# EAGLE board Mk4 Final a Panel score 2x5 (EAGLE 9.0.1), part 16 of 29 (continued)
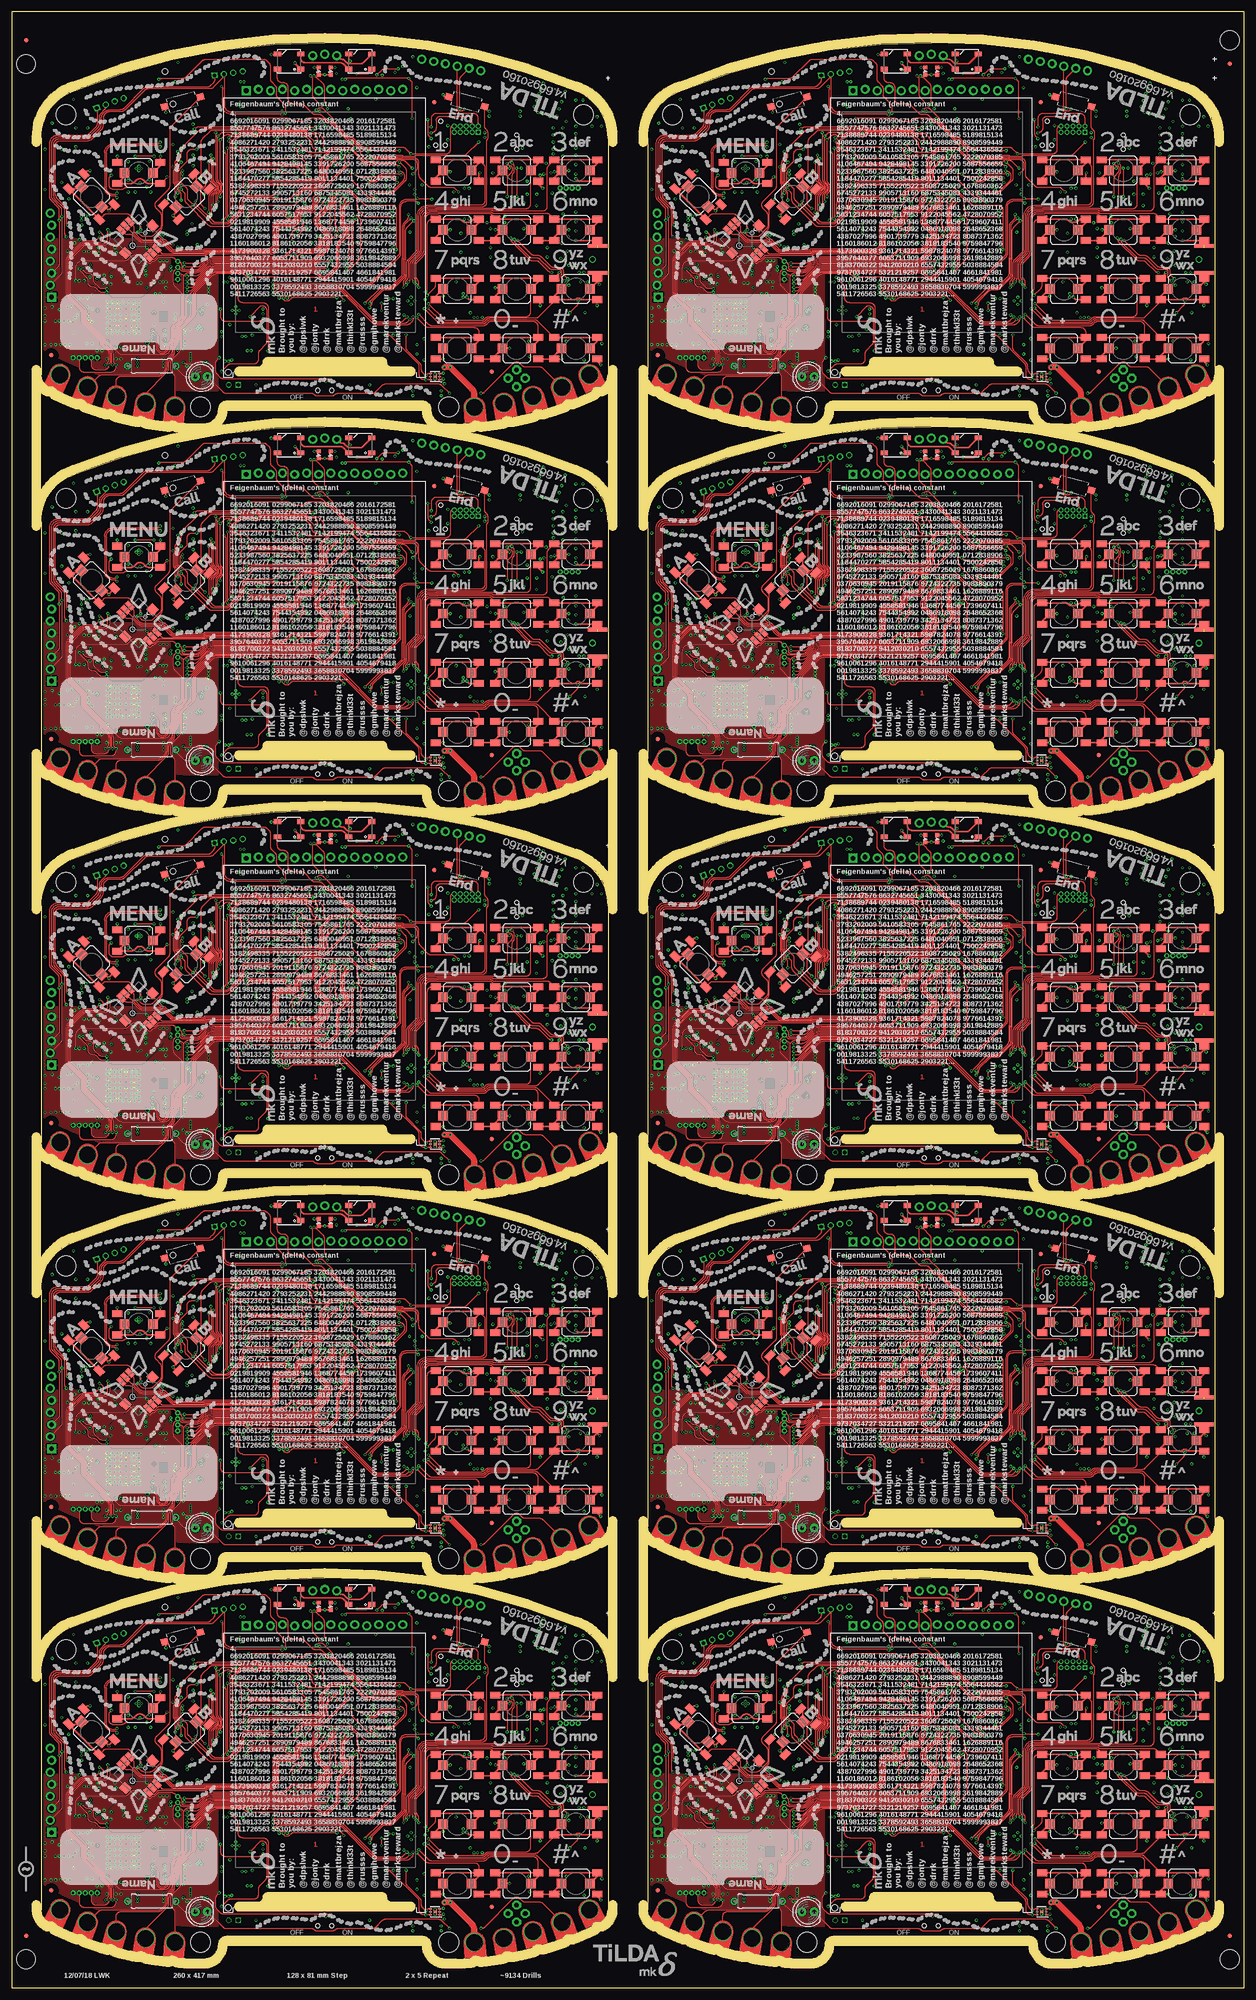
[diagram p0: board, top side]
## Tracks (layer width: path | path; a pad name or v marks a point on that pad's centre or on a via) (continued)
I2C4_SCL1  (via drill 0.3)
  Top 0.15: v198,32.1 198,32.3 197.29,33.01 arc45 196.59,33.3 187.21,33.3 arc45 186.51,33.01 v186.1,32.6 185.78,32.92 arc90 184.72,32.92 v184.4,32.6 | v211.2,24.8 211.2,22.14 arc45 211.49,21.43 214.01,18.92 arc-45 214.3,18.21 214.3,17.71 arc45 214.59,17.01 v215.35,16.25 215.46,16.36 arc-45 216.16,16.65 IC34.4
  3V3@2 0.15: v181,52.7 180.3,53.4 180.3,57.8 180.55,58.05 180.55,60.55 181,61 183,61 185.4,63.4 187.95,63.4 188.5,62.85 189.05,62.85 189.5,63.3 v189.5,63.4
  Bottom 0.15: IC24.5 176,32.3 arc-90 177,33.3 179.38,33.3 arc-45 180.27,32.93 180.51,32.69 arc45 181.21,32.4 184.12,32.4 arc45 184.26,32.46 v184.4,32.6 | IC31.19 208.75,30.75 | IC32.1 210.25,27.5 210.28,27.52 | 210.28,27.52 arc90 210.28,28.23 209.04,29.46 arc-45 208.75,30.16 208.75,30.75 | 208.75,30.75 206.16,30.75 arc-45 205.46,31.04 204.69,31.81 arc45 203.99,32.1 v198,32.1 | v186.1,32.6 185.7,33 185.7,36.38 arc45 185.33,37.27 180.99,41.61 arc-45 180.7,42.31 180.7,51.99 arc-45 v180.99,52.69 v181,52.7 181.05,52.75 R104.1 | v211.2,24.8 211.2,26.39 arc45 211.05,26.75 210.28,27.52 | IC20.61 188.69,64 arc-45 189.05,63.85 v189.5,63.4 | IC35.6 214.72,14.88 arc45 214.7,14.95 214.63,15.02 arc-45 214.6,15.09 214.6,15.29 arc-45 214.75,15.65 v215.35,16.25
I2C4_SCL2  (via drill 0.3)
  Top 0.15: v70,113.1 70,113.3 69.29,114.01 arc45 68.59,114.3 59.21,114.3 arc45 58.51,114.01 v58.1,113.6 57.78,113.92 arc90 56.72,113.92 v56.4,113.6 | v83.2,105.8 83.2,103.14 arc45 83.49,102.43 86.01,99.92 arc-45 86.3,99.21 86.3,98.71 arc45 86.59,98.01 v87.35,97.25 87.46,97.36 arc-45 88.16,97.65 IC52.4
  3V3@2 0.15: v53,133.7 52.3,134.4 52.3,138.8 52.55,139.05 52.55,141.55 53,142 55,142 57.4,144.4 59.95,144.4 60.5,143.85 61.05,143.85 61.5,144.3 v61.5,144.4
  Bottom 0.15: IC42.5 48,113.3 arc-90 49,114.3 51.38,114.3 arc-45 52.27,113.93 52.51,113.69 arc45 53.21,113.4 56.12,113.4 arc45 56.26,113.46 v56.4,113.6 | IC49.19 80.75,111.75 | IC50.1 82.25,108.5 82.28,108.53 | 82.28,108.53 arc90 82.28,109.22 81.04,110.46 arc-45 80.75,111.16 80.75,111.75 | 80.75,111.75 78.16,111.75 arc-45 77.46,112.04 76.69,112.81 arc45 75.99,113.1 v70,113.1 | v58.1,113.6 57.7,114 57.7,117.38 arc45 57.33,118.27 52.99,122.61 arc-45 52.7,123.31 52.7,132.99 arc-45 v52.99,133.69 v53,133.7 53.05,133.75 R182.1 | v83.2,105.8 83.2,107.39 arc45 83.05,107.75 82.28,108.53 | IC38.61 60.69,145 arc-45 61.05,144.85 v61.5,144.4 | IC53.6 86.72,95.88 arc45 86.7,95.95 86.63,96.02 arc-45 86.6,96.09 86.6,96.29 arc-45 86.75,96.65 v87.35,97.25
I2C4_SCL3  (via drill 0.3)
  Top 0.15: v198,113.1 198,113.3 197.29,114.01 arc45 196.59,114.3 187.21,114.3 arc45 186.51,114.01 v186.1,113.6 185.78,113.92 arc90 184.72,113.92 v184.4,113.6 | v211.2,105.8 211.2,103.14 arc45 211.49,102.43 214.01,99.92 arc-45 214.3,99.21 214.3,98.71 arc45 214.59,98.01 v215.35,97.25 215.46,97.36 arc-45 216.16,97.65 IC70.4
  3V3@2 0.15: v181,133.7 180.3,134.4 180.3,138.8 180.55,139.05 180.55,141.55 181,142 183,142 185.4,144.4 187.95,144.4 188.5,143.85 189.05,143.85 189.5,144.3 v189.5,144.4
  Bottom 0.15: IC60.5 176,113.3 arc-90 177,114.3 179.38,114.3 arc-45 180.27,113.93 180.51,113.69 arc45 181.21,113.4 184.12,113.4 arc45 184.26,113.46 v184.4,113.6 | IC67.19 208.75,111.75 | IC68.1 210.25,108.5 210.28,108.53 | 210.28,108.53 arc90 210.28,109.22 209.04,110.46 arc-45 208.75,111.16 208.75,111.75 | 208.75,111.75 206.16,111.75 arc-45 205.46,112.04 204.69,112.81 arc45 203.99,113.1 v198,113.1 | v186.1,113.6 185.7,114 185.7,117.38 arc45 185.33,118.27 180.99,122.61 arc-45 180.7,123.31 180.7,132.99 arc-45 v180.99,133.69 v181,133.7 181.05,133.75 R260.1 | v211.2,105.8 211.2,107.39 arc45 211.05,107.75 210.28,108.53 | IC56.61 188.69,145 arc-45 189.05,144.85 v189.5,144.4 | IC71.6 214.72,95.88 arc45 214.7,95.95 214.63,96.02 arc-45 214.6,96.09 214.6,96.29 arc-45 214.75,96.65 v215.35,97.25
I2C4_SCL4  (via drill 0.3)
  Top 0.15: v70,194.1 70,194.3 69.29,195.01 arc45 68.59,195.3 59.21,195.3 arc45 58.51,195.01 v58.1,194.6 57.78,194.92 arc90 56.72,194.92 v56.4,194.6 | v83.2,186.8 83.2,184.14 arc45 83.49,183.43 86.01,180.92 arc-45 86.3,180.21 86.3,179.71 arc45 86.59,179.01 v87.35,178.25 87.46,178.36 arc-45 88.16,178.65 IC88.4
  3V3@2 0.15: v53,214.7 52.3,215.4 52.3,219.8 52.55,220.05 52.55,222.55 53,223 55,223 57.4,225.4 59.95,225.4 60.5,224.85 61.05,224.85 61.5,225.3 v61.5,225.4
  Bottom 0.15: IC78.5 48,194.3 arc-90 49,195.3 51.38,195.3 arc-45 52.27,194.93 52.51,194.69 arc45 53.21,194.4 56.12,194.4 arc45 56.26,194.46 v56.4,194.6 | IC85.19 80.75,192.75 | IC86.1 82.25,189.5 82.28,189.53 | 82.28,189.53 arc90 82.28,190.22 81.04,191.46 arc-45 80.75,192.16 80.75,192.75 | 80.75,192.75 78.16,192.75 arc-45 77.46,193.04 76.69,193.81 arc45 75.99,194.1 v70,194.1 | v58.1,194.6 57.7,195 57.7,198.38 arc45 57.33,199.27 52.99,203.61 arc-45 52.7,204.31 52.7,213.99 arc-45 v52.99,214.69 v53,214.7 53.05,214.75 R338.1 | v83.2,186.8 83.2,188.39 arc45 83.05,188.75 82.28,189.53 | IC74.61 60.69,226 arc-45 61.05,225.85 v61.5,225.4 | IC89.6 86.72,176.88 arc45 86.7,176.95 86.63,177.02 arc-45 86.6,177.09 86.6,177.29 arc-45 86.75,177.65 v87.35,178.25
I2C4_SCL5  (via drill 0.3)
  Top 0.15: v198,194.1 198,194.3 197.29,195.01 arc45 196.59,195.3 187.21,195.3 arc45 186.51,195.01 v186.1,194.6 185.78,194.92 arc90 184.72,194.92 v184.4,194.6 | v211.2,186.8 211.2,184.14 arc45 211.49,183.43 214.01,180.92 arc-45 214.3,180.21 214.3,179.71 arc45 214.59,179.01 v215.35,178.25 215.46,178.36 arc-45 216.16,178.65 IC106.4
  3V3@2 0.15: v181,214.7 180.3,215.4 180.3,219.8 180.55,220.05 180.55,222.55 181,223 183,223 185.4,225.4 187.95,225.4 188.5,224.85 189.05,224.85 189.5,225.3 v189.5,225.4
  Bottom 0.15: IC96.5 176,194.3 arc-90 177,195.3 179.38,195.3 arc-45 180.27,194.93 180.51,194.69 arc45 181.21,194.4 184.12,194.4 arc45 184.26,194.46 v184.4,194.6 | IC103.19 208.75,192.75 | IC104.1 210.25,189.5 210.28,189.53 | 210.28,189.53 arc90 210.28,190.22 209.04,191.46 arc-45 208.75,192.16 208.75,192.75 | 208.75,192.75 206.16,192.75 arc-45 205.46,193.04 204.69,193.81 arc45 203.99,194.1 v198,194.1 | v186.1,194.6 185.7,195 185.7,198.38 arc45 185.33,199.27 180.99,203.61 arc-45 180.7,204.31 180.7,213.99 arc-45 v180.99,214.69 v181,214.7 181.05,214.75 R416.1 | v211.2,186.8 211.2,188.39 arc45 211.05,188.75 210.28,189.53 | IC92.61 188.69,226 arc-45 189.05,225.85 v189.5,225.4 | IC107.6 214.72,176.88 arc45 214.7,176.95 214.63,177.02 arc-45 214.6,177.09 214.6,177.29 arc-45 214.75,177.65 v215.35,178.25
I2C4_SCL6  (via drill 0.3)
  Top 0.15: v70,275.1 70,275.3 69.29,276.01 arc45 68.59,276.3 59.21,276.3 arc45 58.51,276.01 v58.1,275.6 57.78,275.92 arc90 56.72,275.92 v56.4,275.6 | v83.2,267.8 83.2,265.14 arc45 83.49,264.43 86.01,261.92 arc-45 86.3,261.21 86.3,260.71 arc45 86.59,260.01 v87.35,259.25 87.46,259.36 arc-45 88.16,259.65 IC124.4
  3V3@2 0.15: v53,295.7 52.3,296.4 52.3,300.8 52.55,301.05 52.55,303.55 53,304 55,304 57.4,306.4 59.95,306.4 60.5,305.85 61.05,305.85 61.5,306.3 v61.5,306.4
  Bottom 0.15: IC114.5 48,275.3 arc-90 49,276.3 51.38,276.3 arc-45 52.27,275.93 52.51,275.69 arc45 53.21,275.4 56.12,275.4 arc45 56.26,275.46 v56.4,275.6 | IC121.19 80.75,273.75 | IC122.1 82.25,270.5 82.28,270.52 | 82.28,270.52 arc90 82.28,271.23 81.04,272.46 arc-45 80.75,273.16 80.75,273.75 | 80.75,273.75 78.16,273.75 arc-45 77.46,274.04 76.69,274.81 arc45 75.99,275.1 v70,275.1 | v58.1,275.6 57.7,276 57.7,279.38 arc45 57.33,280.27 52.99,284.61 arc-45 52.7,285.31 52.7,294.99 arc-45 v52.99,295.69 v53,295.7 53.05,295.75 R494.1 | v83.2,267.8 83.2,269.39 arc45 83.05,269.75 82.28,270.52 | IC110.61 60.69,307 arc-45 61.05,306.85 v61.5,306.4 | IC125.6 86.72,257.88 arc45 86.7,257.95 86.63,258.02 arc-45 86.6,258.09 86.6,258.29 arc-45 86.75,258.65 v87.35,259.25
I2C4_SCL7  (via drill 0.3)
  Top 0.15: v198,275.1 198,275.3 197.29,276.01 arc45 196.59,276.3 187.21,276.3 arc45 186.51,276.01 v186.1,275.6 185.78,275.92 arc90 184.72,275.92 v184.4,275.6 | v211.2,267.8 211.2,265.14 arc45 211.49,264.43 214.01,261.92 arc-45 214.3,261.21 214.3,260.71 arc45 214.59,260.01 v215.35,259.25 215.46,259.36 arc-45 216.16,259.65 IC142.4
  3V3@2 0.15: v181,295.7 180.3,296.4 180.3,300.8 180.55,301.05 180.55,303.55 181,304 183,304 185.4,306.4 187.95,306.4 188.5,305.85 189.05,305.85 189.5,306.3 v189.5,306.4
  Bottom 0.15: IC132.5 176,275.3 arc-90 177,276.3 179.38,276.3 arc-45 180.27,275.93 180.51,275.69 arc45 181.21,275.4 184.12,275.4 arc45 184.26,275.46 v184.4,275.6 | IC139.19 208.75,273.75 | IC140.1 210.25,270.5 210.28,270.52 | 210.28,270.52 arc90 210.28,271.23 209.04,272.46 arc-45 208.75,273.16 208.75,273.75 | 208.75,273.75 206.16,273.75 arc-45 205.46,274.04 204.69,274.81 arc45 203.99,275.1 v198,275.1 | v186.1,275.6 185.7,276 185.7,279.38 arc45 185.33,280.27 180.99,284.61 arc-45 180.7,285.31 180.7,294.99 arc-45 v180.99,295.69 v181,295.7 181.05,295.75 R572.1 | v211.2,267.8 211.2,269.39 arc45 211.05,269.75 210.28,270.52 | IC128.61 188.69,307 arc-45 189.05,306.85 v189.5,306.4 | IC143.6 214.72,257.88 arc45 214.7,257.95 214.63,258.02 arc-45 214.6,258.09 214.6,258.29 arc-45 214.75,258.65 v215.35,259.25
I2C4_SCL8  (via drill 0.3)
  Top 0.15: v70,356.1 70,356.3 69.29,357.01 arc45 68.59,357.3 59.21,357.3 arc45 58.51,357.01 v58.1,356.6 57.78,356.92 arc90 56.72,356.92 v56.4,356.6 | v83.2,348.8 83.2,346.14 arc45 83.49,345.43 86.01,342.92 arc-45 86.3,342.21 86.3,341.71 arc45 86.59,341.01 v87.35,340.25 87.46,340.36 arc-45 88.16,340.65 IC160.4
  3V3@2 0.15: v53,376.7 52.3,377.4 52.3,381.8 52.55,382.05 52.55,384.55 53,385 55,385 57.4,387.4 59.95,387.4 60.5,386.85 61.05,386.85 61.5,387.3 v61.5,387.4
  Bottom 0.15: IC150.5 48,356.3 arc-90 49,357.3 51.38,357.3 arc-45 52.27,356.93 52.51,356.69 arc45 53.21,356.4 56.12,356.4 arc45 56.26,356.46 v56.4,356.6 | IC157.19 80.75,354.75 | IC158.1 82.25,351.5 82.28,351.52 | 82.28,351.52 arc90 82.28,352.23 81.04,353.46 arc-45 80.75,354.16 80.75,354.75 | 80.75,354.75 78.16,354.75 arc-45 77.46,355.04 76.69,355.81 arc45 75.99,356.1 v70,356.1 | v58.1,356.6 57.7,357 57.7,360.38 arc45 57.33,361.27 52.99,365.61 arc-45 52.7,366.31 52.7,375.99 arc-45 v52.99,376.69 v53,376.7 53.05,376.75 R650.1 | v83.2,348.8 83.2,350.39 arc45 83.05,350.75 82.28,351.52 | IC146.61 60.69,388 arc-45 61.05,387.85 v61.5,387.4 | IC161.6 86.72,338.88 arc45 86.7,338.95 86.63,339.02 arc-45 86.6,339.09 86.6,339.29 arc-45 86.75,339.65 v87.35,340.25
I2C4_SCL9  (via drill 0.3)
  Top 0.15: v198,356.1 198,356.3 197.29,357.01 arc45 196.59,357.3 187.21,357.3 arc45 186.51,357.01 v186.1,356.6 185.78,356.92 arc90 184.72,356.92 v184.4,356.6 | v211.2,348.8 211.2,346.14 arc45 211.49,345.43 214.01,342.92 arc-45 214.3,342.21 214.3,341.71 arc45 214.59,341.01 v215.35,340.25 215.46,340.36 arc-45 216.16,340.65 IC178.4
  3V3@2 0.15: v181,376.7 180.3,377.4 180.3,381.8 180.55,382.05 180.55,384.55 181,385 183,385 185.4,387.4 187.95,387.4 188.5,386.85 189.05,386.85 189.5,387.3 v189.5,387.4
  Bottom 0.15: IC168.5 176,356.3 arc-90 177,357.3 179.38,357.3 arc-45 180.27,356.93 180.51,356.69 arc45 181.21,356.4 184.12,356.4 arc45 184.26,356.46 v184.4,356.6 | IC175.19 208.75,354.75 | IC176.1 210.25,351.5 210.28,351.52 | 210.28,351.52 arc90 210.28,352.23 209.04,353.46 arc-45 208.75,354.16 208.75,354.75 | 208.75,354.75 206.16,354.75 arc-45 205.46,355.04 204.69,355.81 arc45 203.99,356.1 v198,356.1 | v186.1,356.6 185.7,357 185.7,360.38 arc45 185.33,361.27 180.99,365.61 arc-45 180.7,366.31 180.7,375.99 arc-45 v180.99,376.69 v181,376.7 181.05,376.75 R728.1 | v211.2,348.8 211.2,350.39 arc45 211.05,350.75 210.28,351.52 | IC164.61 188.69,388 arc-45 189.05,387.85 v189.5,387.4 | IC179.6 214.72,338.88 arc45 214.7,338.95 214.63,339.02 arc-45 214.6,339.09 214.6,339.29 arc-45 214.75,339.65 v215.35,340.25
I2C4_SDA  (via drill 0.3)
  Top 0.15: v78,30 v78,31.5 | v68.58,32.7 59.54,32.7 arc45 58.83,32.41 58.55,32.13 arc-45 58,31.9 arc-90 v57.3,32.6 | IC17.6 v87.35,15.35 87,15.35 arc-90 86,16.35 86,18.09 arc45 85.71,18.79 79.99,24.51 arc45 79.29,24.8 v78.8,24.8
  3V3@2 0.15: v52,52.7 52,58 52.25,58.25 52.25,60.75 53,61.5 55,61.5 57.25,63.75 60.35,63.75 v60.7,63.4
  Bottom 0.15: IC8.6 arc-90 49.45,33 51.36,33 arc-45 52.07,32.71 52.31,32.47 arc45 53.19,32.1 55.82,32.1 arc-45 55.96,32.04 56.04,31.96 arc45 56.18,31.9 56.6,31.9 arc90 v57.3,32.6 57.4,32.7 57.4,36.34 arc45 57.11,37.04 52.69,41.46 arc-45 52.4,42.16 52.4,51.89 arc45 52.11,52.59 v52,52.7 arc45 52.1,52.94 52.1,53.7 R21.1 | IC4.20 80.92,31.25 80.89,31.23 78.66,31.23 arc-45 v78,31.5 77.39,32.11 arc45 76.69,32.4 70.71,32.4 arc-45 70.35,32.55 70.35,32.55 arc45 69.99,32.7 v68.58,32.7 | IC16.6 80.16,27.5 arc-45 79.46,27.79 78.8,28.45 | 78.8,28.45 78.29,28.96 arc-45 78,29.66 v78,30 | v78.8,24.8 78.8,28.45 | IC1.60 60.29,63.6 arc-45 60.65,63.45 v60.7,63.4 | IC3.1 89.47,14.06 arc45 89.18,14.77 88.89,15.06 arc45 88.19,15.35 v87.35,15.35
I2C4_SDA1  (via drill 0.3)
  Top 0.15: v206,30 v206,31.5 | v196.58,32.7 187.54,32.7 arc45 186.83,32.41 186.56,32.13 arc-45 186,31.9 arc-90 v185.3,32.6 | IC34.6 v215.35,15.35 215,15.35 arc-90 214,16.35 214,18.09 arc45 213.71,18.79 207.99,24.51 arc45 207.29,24.8 v206.8,24.8
  3V3@2 0.15: v180,52.7 180,58 180.25,58.25 180.25,60.75 181,61.5 183,61.5 185.25,63.75 188.35,63.75 v188.7,63.4
  Bottom 0.15: IC24.6 arc-90 177.45,33 179.36,33 arc-45 180.07,32.71 180.31,32.47 arc45 181.19,32.1 183.82,32.1 arc-45 183.96,32.04 184.04,31.96 arc45 184.18,31.9 184.6,31.9 arc90 v185.3,32.6 185.4,32.7 185.4,36.34 arc45 185.11,37.04 180.69,41.46 arc-45 180.4,42.16 180.4,51.89 arc45 180.11,52.59 v180,52.7 arc45 180.1,52.94 180.1,53.7 R103.1 | IC31.20 208.92,31.25 208.89,31.23 206.66,31.23 arc-45 v206,31.5 205.39,32.11 arc45 204.69,32.4 198.71,32.4 arc-45 198.35,32.55 198.35,32.55 arc45 197.99,32.7 v196.58,32.7 | IC32.6 208.16,27.5 arc-45 207.46,27.79 206.8,28.45 | 206.8,28.45 206.29,28.96 arc-45 206,29.66 v206,30 | v206.8,24.8 206.8,28.45 | IC20.60 188.29,63.6 arc-45 188.65,63.45 v188.7,63.4 | IC35.1 217.47,14.06 arc45 217.18,14.77 216.89,15.06 arc45 216.19,15.35 v215.35,15.35
I2C4_SDA2  (via drill 0.3)
  Top 0.15: v78,111 v78,112.5 | v68.58,113.7 59.54,113.7 arc45 58.83,113.41 58.55,113.13 arc-45 58,112.9 arc-90 v57.3,113.6 | IC52.6 v87.35,96.35 87,96.35 arc-90 86,97.35 86,99.09 arc45 85.71,99.79 79.99,105.51 arc45 79.29,105.8 v78.8,105.8
  3V3@2 0.15: v52,133.7 52,139 52.25,139.25 52.25,141.75 53,142.5 55,142.5 57.25,144.75 60.35,144.75 v60.7,144.4
  Bottom 0.15: IC42.6 arc-90 49.45,114 51.36,114 arc-45 52.07,113.71 52.31,113.47 arc45 53.19,113.1 55.82,113.1 arc-45 55.96,113.04 56.04,112.96 arc45 56.18,112.9 56.6,112.9 arc90 v57.3,113.6 57.4,113.7 57.4,117.34 arc45 57.11,118.04 52.69,122.46 arc-45 52.4,123.16 52.4,132.89 arc45 52.11,133.59 v52,133.7 arc45 52.1,133.94 52.1,134.7 R181.1 | IC49.20 80.92,112.25 80.89,112.22 78.66,112.22 arc-45 v78,112.5 77.39,113.11 arc45 76.69,113.4 70.71,113.4 arc-45 70.35,113.55 70.35,113.55 arc45 69.99,113.7 v68.58,113.7 | IC50.6 80.16,108.5 arc-45 79.46,108.79 78.8,109.45 | 78.8,109.45 78.29,109.96 arc-45 78,110.66 v78,111 | v78.8,105.8 78.8,109.45 | IC38.60 60.29,144.6 arc-45 60.65,144.45 v60.7,144.4 | IC53.1 89.47,95.06 arc45 89.18,95.77 88.89,96.06 arc45 88.19,96.35 v87.35,96.35
I2C4_SDA3  (via drill 0.3)
  Top 0.15: v206,111 v206,112.5 | v196.58,113.7 187.54,113.7 arc45 186.83,113.41 186.56,113.13 arc-45 186,112.9 arc-90 v185.3,113.6 | IC70.6 v215.35,96.35 215,96.35 arc-90 214,97.35 214,99.09 arc45 213.71,99.79 207.99,105.51 arc45 207.29,105.8 v206.8,105.8
  3V3@2 0.15: v180,133.7 180,139 180.25,139.25 180.25,141.75 181,142.5 183,142.5 185.25,144.75 188.35,144.75 v188.7,144.4
  Bottom 0.15: IC60.6 arc-90 177.45,114 179.36,114 arc-45 180.07,113.71 180.31,113.47 arc45 181.19,113.1 183.82,113.1 arc-45 183.96,113.04 184.04,112.96 arc45 184.18,112.9 184.6,112.9 arc90 v185.3,113.6 185.4,113.7 185.4,117.34 arc45 185.11,118.04 180.69,122.46 arc-45 180.4,123.16 180.4,132.89 arc45 180.11,133.59 v180,133.7 arc45 180.1,133.94 180.1,134.7 R259.1 | IC67.20 208.92,112.25 208.89,112.22 206.66,112.22 arc-45 v206,112.5 205.39,113.11 arc45 204.69,113.4 198.71,113.4 arc-45 198.35,113.55 198.35,113.55 arc45 197.99,113.7 v196.58,113.7 | IC68.6 208.16,108.5 arc-45 207.46,108.79 206.8,109.45 | 206.8,109.45 206.29,109.96 arc-45 206,110.66 v206,111 | v206.8,105.8 206.8,109.45 | IC56.60 188.29,144.6 arc-45 188.65,144.45 v188.7,144.4 | IC71.1 217.47,95.06 arc45 217.18,95.77 216.89,96.06 arc45 216.19,96.35 v215.35,96.35
I2C4_SDA4  (via drill 0.3)
  Top 0.15: v78,192 v78,193.5 | v68.58,194.7 59.54,194.7 arc45 58.83,194.41 58.55,194.13 arc-45 58,193.9 arc-90 v57.3,194.6 | IC88.6 v87.35,177.35 87,177.35 arc-90 86,178.35 86,180.09 arc45 85.71,180.79 79.99,186.51 arc45 79.29,186.8 v78.8,186.8
  3V3@2 0.15: v52,214.7 52,220 52.25,220.25 52.25,222.75 53,223.5 55,223.5 57.25,225.75 60.35,225.75 v60.7,225.4
  Bottom 0.15: IC78.6 arc-90 49.45,195 51.36,195 arc-45 52.07,194.71 52.31,194.47 arc45 53.19,194.1 55.82,194.1 arc-45 55.96,194.04 56.04,193.96 arc45 56.18,193.9 56.6,193.9 arc90 v57.3,194.6 57.4,194.7 57.4,198.34 arc45 57.11,199.04 52.69,203.46 arc-45 52.4,204.16 52.4,213.89 arc45 52.11,214.59 v52,214.7 arc45 52.1,214.94 52.1,215.7 R337.1 | IC85.20 80.92,193.25 80.89,193.22 78.66,193.22 arc-45 v78,193.5 77.39,194.11 arc45 76.69,194.4 70.71,194.4 arc-45 70.35,194.55 70.35,194.55 arc45 69.99,194.7 v68.58,194.7 | IC86.6 80.16,189.5 arc-45 79.46,189.79 78.8,190.45 | 78.8,190.45 78.29,190.96 arc-45 78,191.66 v78,192 | v78.8,186.8 78.8,190.45 | IC74.60 60.29,225.6 arc-45 60.65,225.45 v60.7,225.4 | IC89.1 89.47,176.06 arc45 89.18,176.77 88.89,177.06 arc45 88.19,177.35 v87.35,177.35
I2C4_SDA5  (via drill 0.3)
  Top 0.15: v206,192 v206,193.5 | v196.58,194.7 187.54,194.7 arc45 186.83,194.41 186.56,194.13 arc-45 186,193.9 arc-90 v185.3,194.6 | IC106.6 v215.35,177.35 215,177.35 arc-90 214,178.35 214,180.09 arc45 213.71,180.79 207.99,186.51 arc45 207.29,186.8 v206.8,186.8
  3V3@2 0.15: v180,214.7 180,220 180.25,220.25 180.25,222.75 181,223.5 183,223.5 185.25,225.75 188.35,225.75 v188.7,225.4
  Bottom 0.15: IC96.6 arc-90 177.45,195 179.36,195 arc-45 180.07,194.71 180.31,194.47 arc45 181.19,194.1 183.82,194.1 arc-45 183.96,194.04 184.04,193.96 arc45 184.18,193.9 184.6,193.9 arc90 v185.3,194.6 185.4,194.7 185.4,198.34 arc45 185.11,199.04 180.69,203.46 arc-45 180.4,204.16 180.4,213.89 arc45 180.11,214.59 v180,214.7 arc45 180.1,214.94 180.1,215.7 R415.1 | IC103.20 208.92,193.25 208.89,193.22 206.66,193.22 arc-45 v206,193.5 205.39,194.11 arc45 204.69,194.4 198.71,194.4 arc-45 198.35,194.55 198.35,194.55 arc45 197.99,194.7 v196.58,194.7 | IC104.6 208.16,189.5 arc-45 207.46,189.79 206.8,190.45 | 206.8,190.45 206.29,190.96 arc-45 206,191.66 v206,192 | v206.8,186.8 206.8,190.45 | IC92.60 188.29,225.6 arc-45 188.65,225.45 v188.7,225.4 | IC107.1 217.47,176.06 arc45 217.18,176.77 216.89,177.06 arc45 216.19,177.35 v215.35,177.35
I2C4_SDA6  (via drill 0.3)
  Top 0.15: v78,273 v78,274.5 | v68.58,275.7 59.54,275.7 arc45 58.83,275.41 58.55,275.13 arc-45 58,274.9 arc-90 v57.3,275.6 | IC124.6 v87.35,258.35 87,258.35 arc-90 86,259.35 86,261.09 arc45 85.71,261.79 79.99,267.51 arc45 79.29,267.8 v78.8,267.8
  3V3@2 0.15: v52,295.7 52,301 52.25,301.25 52.25,303.75 53,304.5 55,304.5 57.25,306.75 60.35,306.75 v60.7,306.4
  Bottom 0.15: IC114.6 arc-90 49.45,276 51.36,276 arc-45 52.07,275.71 52.31,275.47 arc45 53.19,275.1 55.82,275.1 arc-45 55.96,275.04 56.04,274.96 arc45 56.18,274.9 56.6,274.9 arc90 v57.3,275.6 57.4,275.7 57.4,279.34 arc45 57.11,280.04 52.69,284.46 arc-45 52.4,285.16 52.4,294.89 arc45 52.11,295.59 v52,295.7 arc45 52.1,295.94 52.1,296.7 R493.1 | IC121.20 80.92,274.25 80.89,274.23 78.66,274.23 arc-45 v78,274.5 77.39,275.11 arc45 76.69,275.4 70.71,275.4 arc-45 70.35,275.55 70.35,275.55 arc45 69.99,275.7 v68.58,275.7 | IC122.6 80.16,270.5 arc-45 79.46,270.79 78.8,271.45 | 78.8,271.45 78.29,271.96 arc-45 78,272.66 v78,273 | v78.8,267.8 78.8,271.45 | IC110.60 60.29,306.6 arc-45 60.65,306.45 v60.7,306.4 | IC125.1 89.47,257.06 arc45 89.18,257.77 88.89,258.06 arc45 88.19,258.35 v87.35,258.35
I2C4_SDA7  (via drill 0.3)
  Top 0.15: v206,273 v206,274.5 | v196.58,275.7 187.54,275.7 arc45 186.83,275.41 186.56,275.13 arc-45 186,274.9 arc-90 v185.3,275.6 | IC142.6 v215.35,258.35 215,258.35 arc-90 214,259.35 214,261.09 arc45 213.71,261.79 207.99,267.51 arc45 207.29,267.8 v206.8,267.8
  3V3@2 0.15: v180,295.7 180,301 180.25,301.25 180.25,303.75 181,304.5 183,304.5 185.25,306.75 188.35,306.75 v188.7,306.4
  Bottom 0.15: IC132.6 arc-90 177.45,276 179.36,276 arc-45 180.07,275.71 180.31,275.47 arc45 181.19,275.1 183.82,275.1 arc-45 183.96,275.04 184.04,274.96 arc45 184.18,274.9 184.6,274.9 arc90 v185.3,275.6 185.4,275.7 185.4,279.34 arc45 185.11,280.04 180.69,284.46 arc-45 180.4,285.16 180.4,294.89 arc45 180.11,295.59 v180,295.7 arc45 180.1,295.94 180.1,296.7 R571.1 | IC139.20 208.92,274.25 208.89,274.23 206.66,274.23 arc-45 v206,274.5 205.39,275.11 arc45 204.69,275.4 198.71,275.4 arc-45 198.35,275.55 198.35,275.55 arc45 197.99,275.7 v196.58,275.7 | IC140.6 208.16,270.5 arc-45 207.46,270.79 206.8,271.45 | 206.8,271.45 206.29,271.96 arc-45 206,272.66 v206,273 | v206.8,267.8 206.8,271.45 | IC128.60 188.29,306.6 arc-45 188.65,306.45 v188.7,306.4 | IC143.1 217.47,257.06 arc45 217.18,257.77 216.89,258.06 arc45 216.19,258.35 v215.35,258.35
I2C4_SDA8  (via drill 0.3)
  Top 0.15: v78,354 v78,355.5 | v68.58,356.7 59.54,356.7 arc45 58.83,356.41 58.55,356.13 arc-45 58,355.9 arc-90 v57.3,356.6 | IC160.6 v87.35,339.35 87,339.35 arc-90 86,340.35 86,342.09 arc45 85.71,342.79 79.99,348.51 arc45 79.29,348.8 v78.8,348.8
  3V3@2 0.15: v52,376.7 52,382 52.25,382.25 52.25,384.75 53,385.5 55,385.5 57.25,387.75 60.35,387.75 v60.7,387.4
  Bottom 0.15: IC150.6 arc-90 49.45,357 51.36,357 arc-45 52.07,356.71 52.31,356.47 arc45 53.19,356.1 55.82,356.1 arc-45 55.96,356.04 56.04,355.96 arc45 56.18,355.9 56.6,355.9 arc90 v57.3,356.6 57.4,356.7 57.4,360.34 arc45 57.11,361.04 52.69,365.46 arc-45 52.4,366.16 52.4,375.89 arc45 52.11,376.59 v52,376.7 arc45 52.1,376.94 52.1,377.7 R649.1 | IC157.20 80.92,355.25 80.89,355.23 78.66,355.23 arc-45 v78,355.5 77.39,356.11 arc45 76.69,356.4 70.71,356.4 arc-45 70.35,356.55 70.35,356.55 arc45 69.99,356.7 v68.58,356.7 | IC158.6 80.16,351.5 arc-45 79.46,351.79 78.8,352.45 | 78.8,352.45 78.29,352.96 arc-45 78,353.66 v78,354 | v78.8,348.8 78.8,352.45 | IC146.60 60.29,387.6 arc-45 60.65,387.45 v60.7,387.4 | IC161.1 89.47,338.06 arc45 89.18,338.77 88.89,339.06 arc45 88.19,339.35 v87.35,339.35
I2C4_SDA9  (via drill 0.3)
  Top 0.15: v206,354 v206,355.5 | v196.58,356.7 187.54,356.7 arc45 186.83,356.41 186.56,356.13 arc-45 186,355.9 arc-90 v185.3,356.6 | IC178.6 v215.35,339.35 215,339.35 arc-90 214,340.35 214,342.09 arc45 213.71,342.79 207.99,348.51 arc45 207.29,348.8 v206.8,348.8
  3V3@2 0.15: v180,376.7 180,382 180.25,382.25 180.25,384.75 181,385.5 183,385.5 185.25,387.75 188.35,387.75 v188.7,387.4
  Bottom 0.15: IC168.6 arc-90 177.45,357 179.36,357 arc-45 180.07,356.71 180.31,356.47 arc45 181.19,356.1 183.82,356.1 arc-45 183.96,356.04 184.04,355.96 arc45 184.18,355.9 184.6,355.9 arc90 v185.3,356.6 185.4,356.7 185.4,360.34 arc45 185.11,361.04 180.69,365.46 arc-45 180.4,366.16 180.4,375.89 arc45 180.11,376.59 v180,376.7 arc45 180.1,376.94 180.1,377.7 R727.1 | IC175.20 208.92,355.25 208.89,355.23 206.66,355.23 arc-45 v206,355.5 205.39,356.11 arc45 204.69,356.4 198.71,356.4 arc-45 198.35,356.55 198.35,356.55 arc45 197.99,356.7 v196.58,356.7 | IC176.6 208.16,351.5 arc-45 207.46,351.79 206.8,352.45 | 206.8,352.45 206.29,352.96 arc-45 206,353.66 v206,354 | v206.8,348.8 206.8,352.45 | IC164.60 188.29,387.6 arc-45 188.65,387.45 v188.7,387.4 | IC179.1 217.47,338.06 arc45 217.18,338.77 216.89,339.06 arc45 216.19,339.35 v215.35,339.35
I2C5_EXT_SCL  (via drill 0.3)
  Top 0.2: J8.1 42.78,78.69 arc-45 42.49,77.99 41.89,77.39 arc-45 41.19,77.1 28.62,77.1 arc45 27.73,76.73 23.59,72.59 arc-45 22.89,72.3 20.52,72.3 arc45 19.63,71.93 19.27,71.57 arc45 18.9,70.68 18.9,69.27 arc-45 18.46,68.21 16.89,66.64 arc-45 15.83,66.2 10.05,66.2 arc90 8.8,64.95 8.8,54.21 arc45 9.09,53.51 10.81,51.79 arc-45 11.1,51.09 11.1,46.31 arc45 11.39,45.61 v11.5,45.5 | v44.25,77.25 arc-45 44.5,76.65 44.5,73.15 arc90 46.25,71.4 56.85,71.4 v57,71.25
  3V3@2 0.15: v57,71.25 57,68 57.5,67.5 62.02,67.5 62.6,66.92 62.6,64.32 64.28,62.65 64.28,62.38 64.58,62.08 64.85,62.08 70.1,56.82 v70.1,56.2
  Bottom 0.15: IC1.121 72.89,55.6 72.86,55.63 arc45 72.51,55.77 72.38,55.77 arc-45 71.67,56.07 71.21,56.53 arc45 70.86,56.67 70.78,56.67 arc45 70.43,56.53 v70.1,56.2